# Altium PCB 28375D_Control_Card_2023.6.7.PcbDoc (part 1 of 2) (continued)
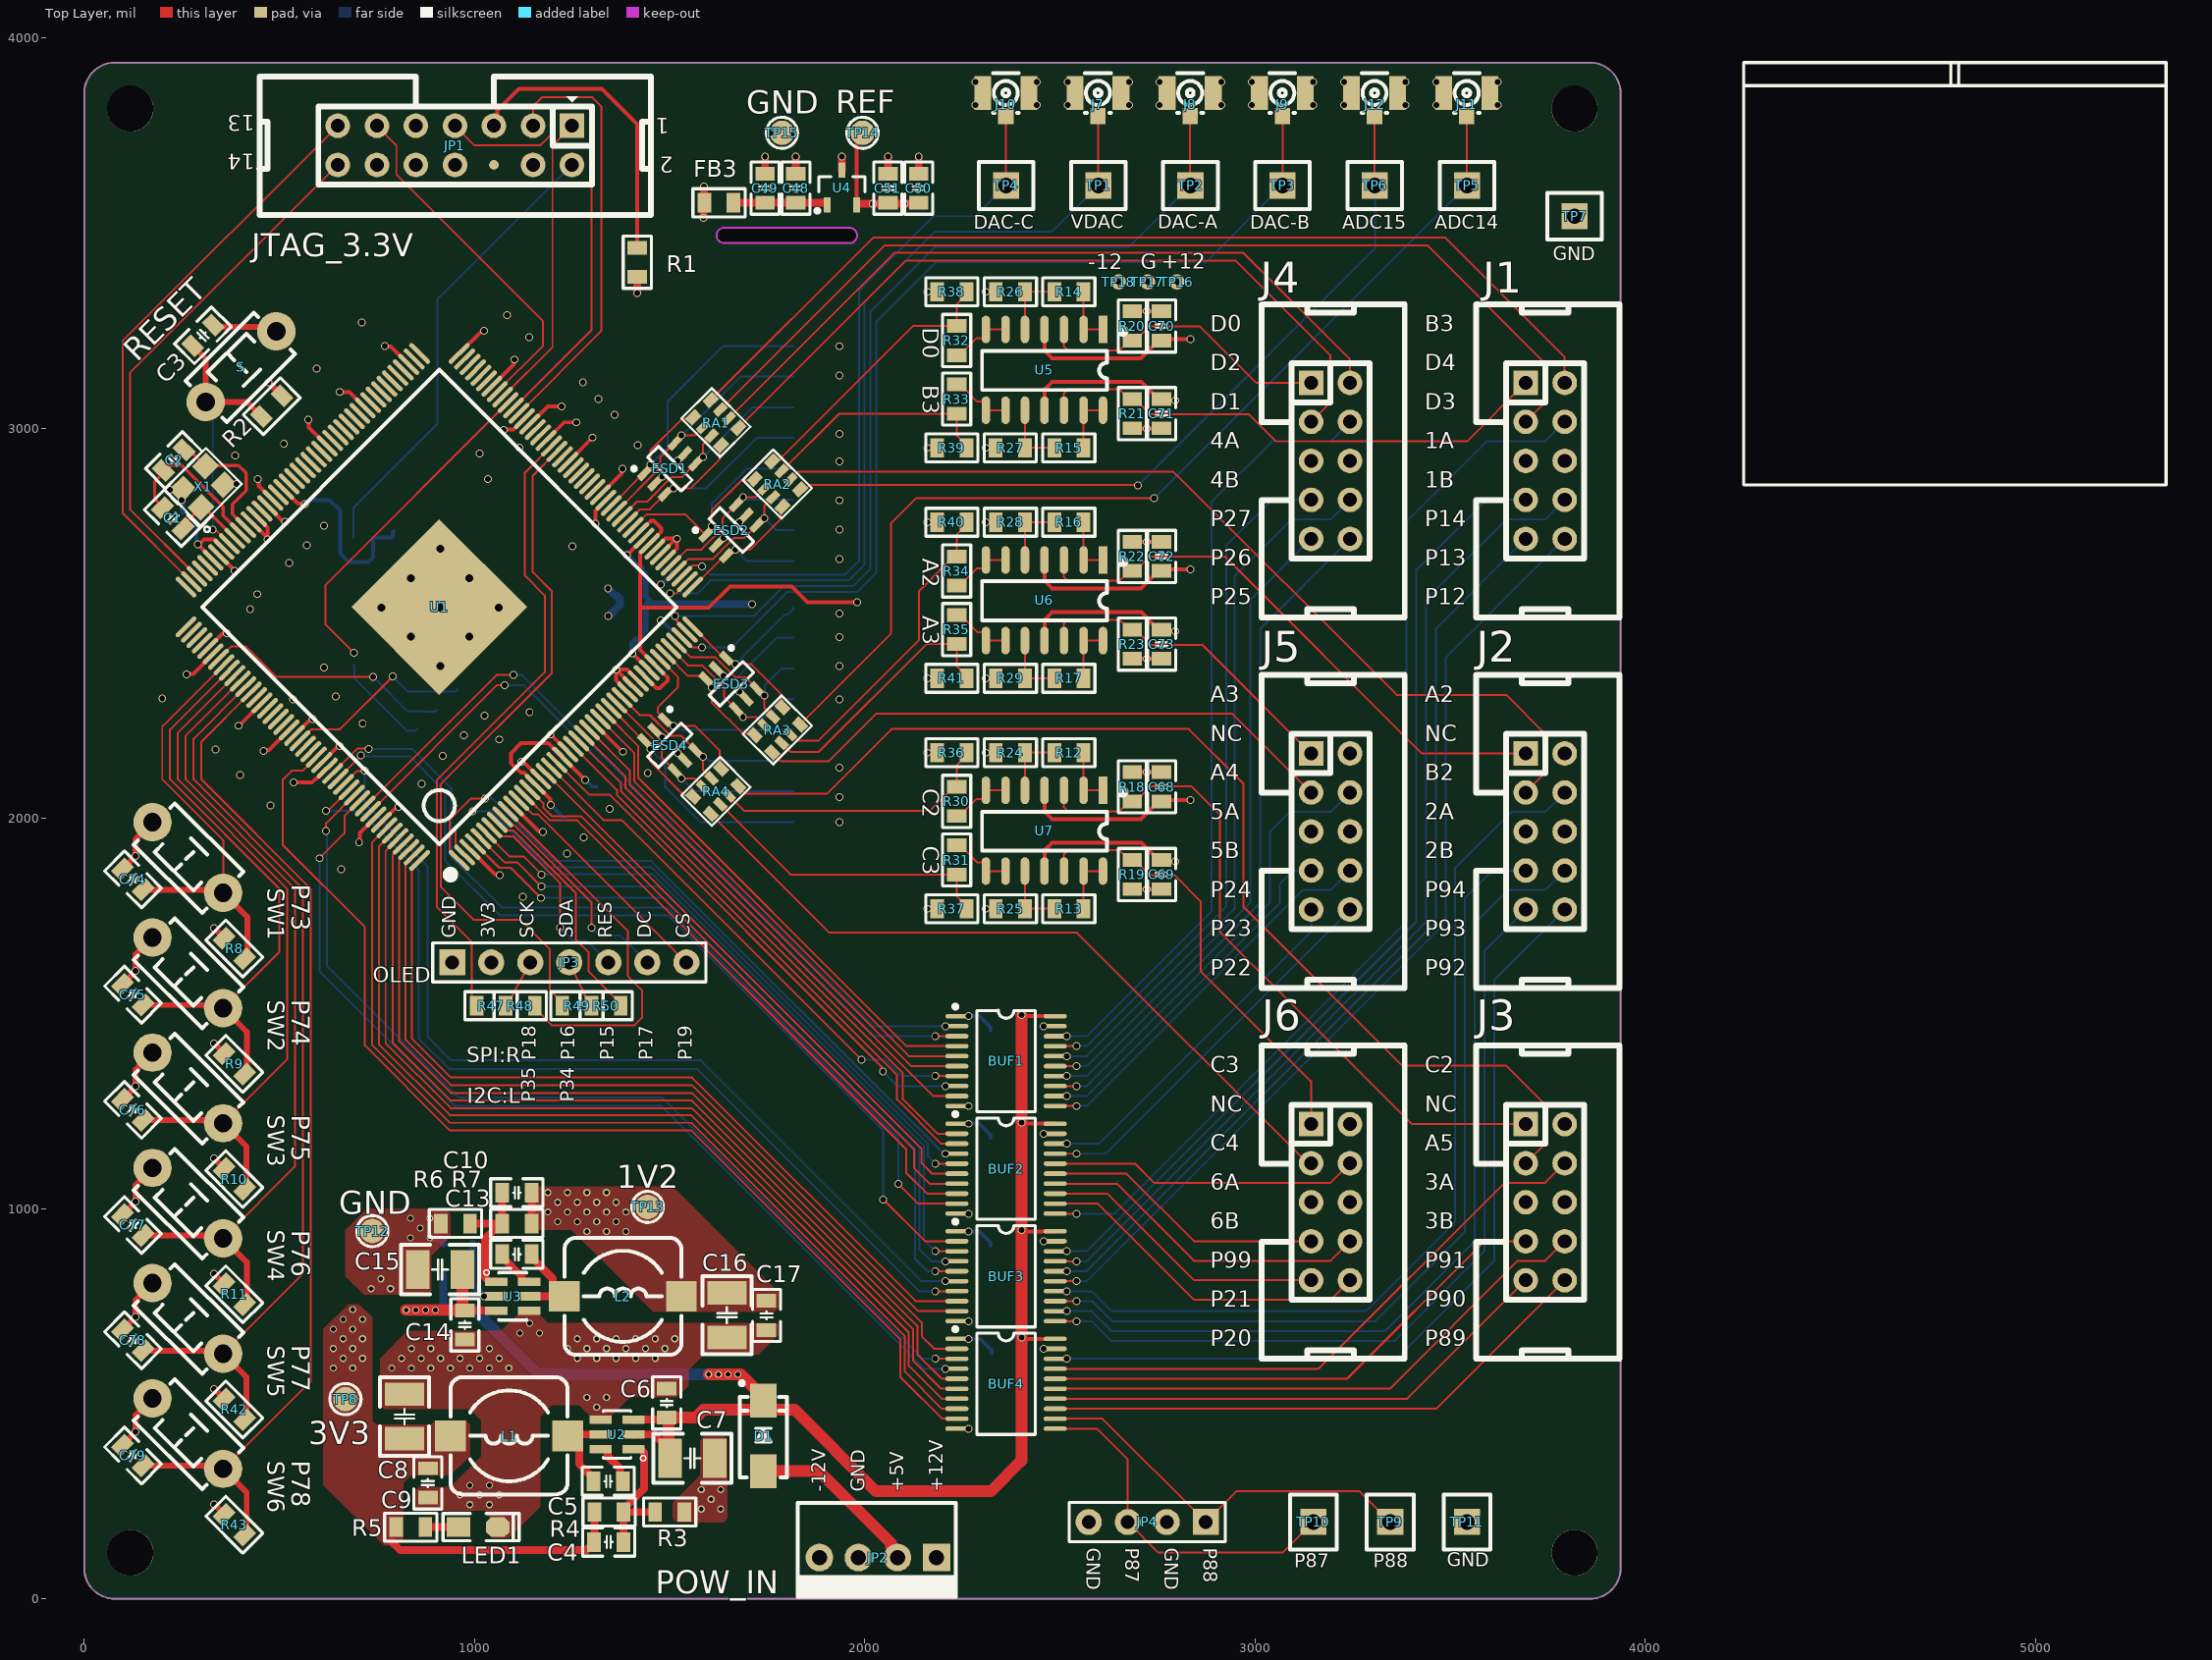
[diagram p0: Top Layer view]
## Footprints (in the part's own frame and the unit in brackets; to place one, negate y for a bottom-side part, rotate by r counter-clockwise, add the part's x,y. Pads: shape width x height; smd on the part's side, far side on the other; paste and mask are expansions set on the pad) (continued)
  rect 8.1x8.1 smd: 177(0,0)
  silkscreen extent -12.06,-13.08 10.92,10.92, body extent -13,-13 13.01,13, height 1.45
"OSC 3225-4P" [mm] "3.2*2.5*0.7mm(长宽高)  淘宝ID:小糖豆的小窝窝"
  rect 1.3x1.2 smd: 1(-1.05,-0.85) 2(1.05,-0.85) 3(1.05,0.85) 4(-1.05,0.85)
  silkscreen extent -2.03,-1.75 1.9,1.65, body extent -1.6,-1.25 1.6,1.25, height 0.7
"R 0805_L" [mil] "1/8W贴片电阻   https://item.taobao.com/item.htm?ft=t&id=613637044352"
  rect 35x50 smd: 1(-37.4,0) 2(37.4,0)
  silkscreen extent -67,-36 67,36, body extent -39,-25 39,25, height 20
RCA-8P4R-0603 [mm] "3.2mm*1.6mm*0.6mm(长*宽*厚)"
  rect 0.65x0.9 smd: 1(-1.28,-0.8) 4(1.28,-0.8) 5(1.28,0.8) 8(-1.28,0.8)
  rect 0.5x0.9 smd: 2(-0.4,-0.8) 3(0.4,-0.8) 6(0.4,0.8) 7(-0.4,0.8)
  silkscreen extent -1.78,-1.4 1.78,1.4, body extent -1.6,-0.8 1.6,0.8, height 0.6
SMA [mm] "4.5x2.6*2.2mm（长宽高，不包括引脚）"
  rect 2.2x1.75 smd: 1(-2.3,0) 2(2.3,0)
  silkscreen extent -2.7,-1.52 3.56,1.52, body extent -2.53,-1.3 2.58,1.3, height 2.15
SOP14_N [mm] "8.7*6.2*1.8mm（长宽高）"
  rect 1.8x0.55 smd: 1(-2.625,3.81)
  oval 1.8x0.55 smd: 2(-2.625,2.54) 3(-2.625,1.27) 4(-2.625,0) 5(-2.625,-1.27) 6(-2.625,-2.54) 7(-2.625,-3.81) 8(2.625,-3.81) 9(2.625,-2.54) 10(2.625,-1.27) 11(2.625,0) 12(2.625,1.27) 13(2.625,2.54) 14(2.625,3.81)
  silkscreen extent -2.67,-4.06 1.31,5.21, body extent -3,-4.35 3,4.35, height 1.9
SOT23-3L [mm] "3x1.3x1mm(长宽高)"
  rect 0.45x1 smd: 1(-0.95,-1.143) 2(0.95,-1.143) 3(0,1.125)
  silkscreen extent -1.72,-1.65 1.5,0.7, body extent -1.5,-1.2 1.5,1.2, height 1.05
SOT23-6 [mm] "SOT-23/SC-74A; 5 Leads; Body 3.1 x 3 mm, inc. leads (LxW max)"
  rect 0.55x1.45 smd: 1(0.95,1.075) 2(0,1.075) 3(-0.95,1.075) 4(-0.95,-1.075) 5(0,-1.075) 6(0.95,-1.075)
  silkscreen extent -1.55,-0.9 1.73,1.88, body extent -1.43,-1.2 1.49,1.14, height 1
SOT23-6L [mm] "3x1.6x1.1mm(长宽高)"
  rect 0.45x1 smd: 1(-0.95,-1.397) 2(0,-1.397) 3(0.95,-1.397) 4(0.95,1.397) 5(0,1.397) 6(-0.95,1.397)
  silkscreen extent -1.77,-1.78 1.55,0.51, body extent -1.5,-1.4 1.5,1.4, height 1.15
"TEST 1" [mm] "测试点1mm"
  round 1 smd paste-1: 1(0,0)
"TEST 1.6" [mm] "测试点1.6mm"
  round 1.6 smd paste-1.6: 1(0,0)
  silkscreen extent -1.02,-1.02 1.01,1.02
"TEST TP1.4_B" [mm] "蓝色，测试环"
  rect 1.7x1.7 hole 1: 1(0,0)
  silkscreen extent -1.78,-1.52 1.78,1.52, body extent -1.67,-1.4 1.67,1.4, height 5.41
"TEST TP1.4_G" [mm] "绿色，测试环"
  rect 1.7x1.7 hole 1: 1(0,0)
  silkscreen extent -1.78,-1.52 1.78,1.52, body extent -1.67,-1.4 1.67,1.4, height 5.41
"TEST TP1.4_W" [mm] "白色，测试环"
  rect 1.7x1.7 hole 1: 1(0,0)
  silkscreen extent -1.78,-1.52 1.78,1.52, body extent -1.67,-1.4 1.67,1.4, height 5.41
"TEST TP1.4_Y" [mm] "黄色，测试环"
  rect 1.7x1.7 hole 1: 1(0,0)
  silkscreen extent -1.78,-1.52 1.78,1.52, body extent -1.67,-1.4 1.67,1.4, height 5.41
TSSOP20_N [mm] "6.5*6.4*1（长宽高）"
  oval 1.5x0.3 smd: 1(-3.2,2.925) 2(-3.2,2.275) 3(-3.2,1.625) 4(-3.2,0.975) 5(-3.2,0.325) 6(-3.2,-0.325) 7(-3.2,-0.975) 8(-3.2,-1.625) 9(-3.2,-2.275) 10(-3.2,-2.925) 11(3.2,-2.925) 12(3.2,-2.275) 13(3.2,-1.625) 14(3.2,-0.975) 15(3.2,-0.325) 16(3.2,0.325) 17(3.2,0.975) 18(3.2,1.625) 19(3.2,2.275) 20(3.2,2.925)
  silkscreen extent -3.43,-3.3 1.91,3.69, body extent -3.2,-3.25 3.2,3.25, height 1.03
"TSW DIP-3*6*4.3" [mm] "3*6*4.3mm"
  round 2.5 hole 1.2: 1(3.25,0) 2(-3.25,0)
  silkscreen extent -3.21,-1.9 3.09,1.9, body extent -3.91,-1.75 3.91,1.75, height 4.31

## Part data
C1 C2 C3 C4 C5 C6 C7 C8 C9 C10 C11 C12 C13 C14 C15 C16 C17 C18 C19 C20 C21 C22 C23 C24 C25 C26 C27 C28 C29 C30 C31 C32 C33 C34 C35 C36 C37 C38 C39 C40 C41 C42 C43 C44 C45 C46 C47 C48 C49 C50 C51 C52 C53 C54 C55 C56 C57 C58 C59 C60 C61 C62 C63 C64 C65 C66 C67 C68 C69 C70 C71 C72 C73 C74 C75 C76 C77 C78 C79 C80 C81 C82 C83 C84 C85 C86 C87 C88 C89: library part C, "贴片电容", BOM名称=贴片电容, 下单链接=https://item.taobao.com/item.htm?ft=t&id=613637044352, 淘宝ID=小糖豆的小窝窝
D1: library part 1N4007, "整流二极管", BOM名称=整流二极管, 下单链接=https://item.taobao.com/item.htm?ft=t&id=613637044352, 淘宝ID=小糖豆的小窝窝
DIP1: "3路编码开关", BOM名称=3路编码开关, 下单链接=https://item.taobao.com/item.htm?ft=t&id=613637044352, 淘宝ID=小糖豆的小窝窝
ESD1 ESD2 ESD3 ESD4: library part "ESD - 4"
FB1 FB3: library part FB, "磁珠", BOM名称=贴片磁珠
J1 J2 J3 J4 J5 J6: "5*2P接插件", BOM名称=5*2P接插件, 下单链接=https://item.taobao.com/item.htm?ft=t&id=613637044352, 淘宝ID=小糖豆的小窝窝
J7 J8 J9 J10 J11 J12: "射频连接器 RF connector"
JP1: library part "Header 7X2", "7*2P接插件", BOM名称=7*2P接插件, 下单链接=https://item.taobao.com/item.htm?ft=t&id=613637044352, 淘宝ID=小糖豆的小窝窝
JP2 JP4: library part "Header 4", "4P接插件", BOM名称=4P接插件, 下单链接=https://item.taobao.com/item.htm?ft=t&id=613637044352, 淘宝ID=小糖豆的小窝窝
JP3: library part "Header 7", "7P接插件", BOM名称=7P接插件, 下单链接=https://item.taobao.com/item.htm?ft=t&id=613637044352, 淘宝ID=小糖豆的小窝窝
L1 L2: library part L-CDRH, "功率屏蔽电感", BOM名称=功率屏蔽电感, 下单链接=https://item.taobao.com/item.htm?ft=t&id=613637044352, 淘宝ID=小糖豆的小窝窝
LED1: library part LED-SMD, "贴片LED", BOM名称=贴片LED, 下单链接=https://item.taobao.com/item.htm?ft=t&id=613637044352, 淘宝ID=小糖豆的小窝窝
R1 R2 R3 R4 R5 R6 R7 R8 R9 R10 R11 R12 R13 R14 R15 R16 R17 R18 R19 R20 R21 R22 R23 R24 R25 R26 R27 R28 R29 R30 R31 R32 R33 R34 R35 R36 R37 R38 R39 R40 R41 R42 R43 R44 R45 R46 R47 R48 R49 R50 R51: library part R, "贴片电阻", BOM名称=贴片电阻, 下单链接=https://item.taobao.com/item.htm?ft=t&id=613637044352, 淘宝ID=小糖豆的小窝窝
RA1 RA2 RA3 RA4: library part R-8P4R, "贴片排阻", BOM名称=贴片排阻, 下单链接=https://item.taobao.com/item.htm?ft=t&id=613637044352, 淘宝ID=小糖豆的小窝窝
S SW1 SW2 SW3 SW4 SW5 SW6: library part "TSW 3x6", "3x6轻触开关", BOM名称=3x6轻触开关, 下单链接=https://item.taobao.com/item.htm?ft=t&id=613637044352, 淘宝ID=小糖豆的小窝窝
TP1 TP2 TP3 TP4 TP5 TP6 TP7 TP9 TP10 TP11: "测试环", BOM名称=测试环, 下单链接=https://item.taobao.com/item.htm?ft=t&id=613637044352, 淘宝ID=小糖豆的小窝窝
TP8 TP12 TP13 TP14 TP15 TP16 TP17 TP18: "测试点", BOM名称=测试点, 下单链接=https://item.taobao.com/item.htm?ft=t&id=613637044352, 淘宝ID=小糖豆的小窝窝
U1: library part TMS320F28377DPTP, "DSP 176", Manufacturer="Texas Instruments", CompType=IC, MountType=SMT, PackageReference=PTP0176F, PartNumber=TMS320F28377DPTP, PIN_COUNT=177, RefDes=RefDes, RoHS=Y, Type=DEV
U2 U3: library part SCT2330
U5 U6 U7: "Low Noise JFET-Input Operational Amplifiers", Alias1=https://item.taobao.com/item.htm?ft=t&id=613637044352, BOM名称="Low Noise JFET-Input Operational Amplifiers", 淘宝ID=小糖豆的小窝窝
X1: library part XTAL-4P, "4脚无源晶振", BOM名称=4脚无源晶振, 下单链接=https://item.taobao.com/item.htm?ft=t&id=613637044352, 淘宝ID=小糖豆的小窝窝

## Free pads (board coordinates)
  round 118.11 hole 118.11: Q(118.11,118.11) Q(118.11,3818.9) Q(3818.9,118.11) Q(3818.9,3818.9)

## Via types
v1: diameter 20, hole 15, Top Layer to Bottom Layer, tented both sides, 277 vias
v2: diameter 18, hole 12, Top Layer to Bottom Layer, tented both sides, 100 vias
v3: diameter 30, hole 20, Top Layer to Bottom Layer, tented both sides, 9 vias
v4: diameter 20, hole 15, Top Layer to Bottom Layer, 1 vias

## Nets (pads, with @x,y where several pads share a name; then routed paths per layer and width w, separated by ;. In a path a pad name is that pad's centre, name@x,y a point inside that pad or via, vN(x,y) a via of type N, cw(c..) or ccw(c..) an arc to the next point about the centre after c; other vN are vias at no path point)
+1V2: C10.2 C16.2 C17.2 C18.2 C19.2 C20.2 C21.2 C22.2 C23.2 C24.2 C25.2 C26.2 C27.2 C80.2 C81.2 L2.2 R7.2 TP13.1 U1.16 U1.21 U1.61 U1.76 U1.117 U1.126 U1.137 U1.153 U1.158 U1.169 | length 728.3
  Top Layer w10: U1.137@316.45,2435.45 354.08,2473.09 363.09,2473.09 v1(365,2475) ; U1.126@344.29,2676.28 344.29,2676 385,2635.29 v1(385,2635) ; U1.117@469.56,2801.56 509.21,2761.91 513.09,2761.91 v1(515,2760) ; U1.153@539.16,2212.74 579.5,2253.09 583.09,2253.09 v1(585,2255) ; U1.158@608.76,2143.15 648.7,2183.09 653.09,2183.09 v1(655,2185) ; U1.169@761.87,1990.03 799.92,2028.09 803.09,2028.09 v1(805,2030) ; v1(1075,2995) 1076.79,2996.79 1100,2996.79 1127.48,3024.27 U1.76@1127.97,3024.27 ; v1(1120,2145) 1121.91,2143.09 1128.03,2143.09 U1.16@1169.73,2101.39 ; v1(1195,2215) 1195.16,2215 1239.17,2170.99 U1.21@1239.33,2170.99 ; v1(1310,2755) 1310,2788.22 1336.76,2814.99 U1.61@1336.76,2815.48
  Top Layer w20: R7.2@1146.05,961.94 1146.05,1025.68 1145.4,1026.34 1138.55,1026.34 1146.05,1033.84 C10.2@1146.05,1040.68
  other v1: 535,2305 1115,2950
  other v2: 1288.19,941.34 1338.19,941.34 1388.19,941.34 1213.19,966.34 1263.19,966.34 1313.19,966.34 1363.19,966.34 1188.19,991.34 1238.19,991.34 1288.19,991.34 1338.19,991.34 1388.19,991.34 1213.19,1016.34 1263.19,1016.34 1313.19,1016.34 1363.19,1016.34 1188.19,1041.34 1238.19,1041.34 1288.19,1041.34 1338.19,1041.34
+3REF: C50.2 C51.2 R36.1 R37.1 R38.1 R39.1 R40.1 R41.1 TP14.1 U1.35 U1.37 U1.53 U1.55 U4.2 | length 3666.2
  Top Layer w10: U1.55@1420.28,2731.96 1420.77,2731.96 1451.73,2762.92 1460.01,2762.92 1479.08,2743.85 1479.08,2735.57 1448.12,2704.61 U1.53@1448.12,2704.12 1448.12,2703.63 1424.25,2679.77 1424.25,2539.97 ; U1.35@1434.2,2365.86 1466.54,2333.52 1474.82,2333.52 1494.38,2353.07 1494.38,2361.36 U1.37@1462.04,2393.7 1424.25,2431.48 1424.25,2539.97 ; U4.2@1979.07,3584.3 1979.07,3727.37 1993.86,3742.16 TP14.1@1993.86,3756.5 ; v1(1980.92,2554.12) 1853.04,2554.12 1813,2594.16 1654.16,2594.16 1599.97,2539.97 1424.25,2539.97 ; v1(2160.49,1768.46) 2185.78,1768.46 R37.1@2185.83,1768.5 ; v1(2160.49,3349.56) 2185.78,3349.56 R38.1@2185.83,3349.61
  Top Layer w20: U4.2@1980.31,3574.93 2020.29,3574.93 2059.66,3574.93 2101.92,3574.93 2135.58,3574.93 C50.2@2138.4,3577.74
  POWER w50: v1(2020.29,3575.14) v1(2101.92,3575.14) 2131.2,3575.14 2160.49,3545.85 v1(2160.49,2949.56) v1(2160.49,2759.01) 2160.49,2733.69 v1(1980.92,2554.12) 2160.49,2374.55 v1(2160.49,2359.01) v1(2160.49,2168.46) v1(2160.49,1768.46)
+3V3: C4.2 C8.2 C9.2 C28.2 C29.2 C30.2 C31.2 C32.2 C33.2 C34.2 C35.2 C36.2 C37.2 C38.2 C39.2 C40.2 C41.2 C42.2 C43.2 C44.2 C45.2 C46.2 C47.2 C86.2 C87.2 C88.2 DIP1.5 DIP1.6 FB1.1 FB3.1 JP3.2 L1.2 R1.2 R2.2 R4.2 R5.2 R8.2 R9.2 R10.2 R11.2 R42.2 R43.2 TP8.1 U1.3 U1.11 U1.15 U1.20 U1.26 U1.62 U1.68 U1.72 U1.75 U1.82 U1.88 U1.91 U1.99 U1.106 U1.114 U1.116 U1.119 U1.120 U1.125 U1.127 U1.138 U1.147 U1.152 U1.159 U1.168 | length 4201.4
  Top Layer w10: v1(262.64,2368.99) 264.55,2370.9 279.73,2370.9 U1.138@330.37,2421.54 ; U1.127@330.37,2662.36 330.37,2662.5 291,2701.87 v1(291,2702) 293.71,2702 307.29,2715.59 332.33,2715.59 357.72,2690.2 U1.125@358.21,2690.2 ; v1(396.09,2237.59) 396.53,2237.59 455.2,2296.26 U1.147@455.64,2296.26 ; U1.120@427.95,2759.8 468.09,2719.67 468.09,2716.91 v1(470,2715) 470,2744.95 441.72,2773.23 U1.119@441.72,2773.72 ; v1(445,2870) 446.91,2868.09 446.91,2852.05 U1.116@483.48,2815.48 ; v1(460,2173) 461.91,2174.91 473.49,2174.91 U1.152@525.24,2226.66 ; U1.114@511.32,2843.32 547.72,2806.91 563.09,2806.91 v1(565,2805) ; v1(537,2092) 583.59,2092 594.27,2102.68 595.64,2102.68 622.19,2129.23 U1.159@622.68,2129.23 ; v1(573.8,3022.41) 575.71,3020.49 575.71,3001.64 U1.106@622.68,2954.67 ; v1(655,3093) 655.78,3092.22 680,3092.22 U1.99@720.11,3052.11 ; v1(704.4,1938.3) 706.32,1940.21 706.32,1962.32 U1.168@747.95,2003.95 ; v1(770,3211) 771.91,3209.09 785.84,3209.09 U1.91@831.47,3163.46 ; U1.88@960.94,3191.3 1017.73,3248.09 1022.09,3248.09 v1(1024,3250) ; U1.3@988.78,1920.44 1052.3,1856.91 1063.09,1856.91 v1(1065,1855) ; U1.82@1044.46,3107.79 1101.09,3164.42 1101.09,3174.09 v1(1103,3176) ; U1.11@1100.13,2031.79 1165.01,1966.91 1174.09,1966.91 v1(1176,1965) ; U1.75@1141.89,3010.35 1187.54,3056 v1(1223,3056) ; U1.72@1183.65,2968.59 1230.06,3015 v1(1261,3015) ; v1(1196.14,2034.14) 1194.22,2036.05 1194.22,2049.06 1126.28,2117 1118.3,2117 1094,2141.3 1094,2167 1119.43,2192.43 1189.55,2192.43 1224.92,2157.07 U1.20@1225.41,2157.07 1225.67,2157.07 1283.74,2099 v1(1284,2099) ; U1.68@1239.33,2912.91 1239.62,2912.91 1302.71,2976 v1(1303,2976) ; U1.26@1308.93,2240.58 1309.42,2240.58 1379,2171 v1(1380,2171) ; U1.62@1322.85,2829.4 1377.09,2883.64 1377.09,2894.09 v1(1379,2896)
  Top Layer w15: v1(333.2,242.54) 358.27,217.47 R43.2@358.27,216.42 ; v1(333.2,537.82) 358.27,512.75 R42.2@358.27,511.69 ; v1(333.2,833.09) 358.27,808.03 R11.2@358.27,806.97 ; v1(333.2,1128.37) 358.27,1103.3 R10.2@358.27,1102.25 ; v1(333.2,1423.64) 358.27,1398.58 R9.2@358.27,1397.52 ; v1(333.2,1718.92) 358.27,1693.85 R8.2@358.27,1692.8 ; v1(472.59,3117.29) R2.2@507.15,3082.74
  Top Layer w20: 788.19,146.34 808.96,125.57 1286.9,125.57 1291.74,130.41 1299.24,130.41 1306.74,137.91 C4.2@1306.74,145.41 1307.04,145.71 1307.04,222.16 R4.2@1307.33,222.46 ; v1(1417.32,3346.46) R1.2@1417.32,3387.8 ; v1(1587.22,3538.37) 1587.22,3575.77 FB3.1@1589.18,3577.74 1588,3578.92 v1(1588,3619)
  POWER w10: 420,2765 v1(470,2715) ; 520,2850 v1(565,2805)
  Bottom Layer w10: C36.2@288.01,2750.97 288.01,2707.7 291,2704.71 v1(291,2702) ; v1(565,2805) 568.04,2808.04 570.17,2805.91 573.23,2805.91 583.23,2815.91 628.81,2815.91 655.41,2789.31 655.41,2679.32 677.25,2657.48 728.35,2657.48 740.51,2669.64 DIP1.5@740.51,2720.32 DIP1.6@790.51,2720.32 790.51,2733.43 DIP1.6@793.3,2736.22 ; v1(1196.14,2034.14) 1227.06,2003.21 1227.06,2002.94 C35.2@1232.89,2002.94 ; v1(1284,2099) 1301.32,2081.68 C34.2@1312.45,2081.68
  Bottom Layer w20: v1(1342.11,2589.18) 1361.29,2570 1365.1,2570 1372.6,2562.5 1372.6,2547.5 1344.1,2519 v1(1343.07,2519)
  other v2: 638.19,591.34 688.19,591.34 663.19,616.34 713.19,616.34 638.19,641.34 688.19,641.34 663.19,666.34 713.19,666.34 638.19,691.34 688.19,691.34 663.19,716.34 713.19,716.34 688.19,741.34
+3V3A: C11.2 C12.2 ESD1.5 ESD2.5 ESD3.5 ESD4.5 FB1.2 U1.36 U1.54 | length 1591.5
  Top Layer w10: v1(1390.37,2674.21) U1.54@1434.2,2718.04 ; v1(1404.29,2423.61) U1.36@1448.12,2379.78
  POWER w20: v1(1520.61,2167.55) v1(1678.09,2325.03) 1711.19,2358.13 1711.19,2725.63 v1(1678.09,2758.73) v1(1520.61,2916.21)
  Bottom Layer w15: v1(1390.37,2674.21) 1414.22,2650.36 1419.74,2650.36 1429.74,2640.36 C11.2@1429.74,2632.86 1438.73,2623.87 1438.73,2567.87 FB1.2@1452.48,2554.12 ; v1(1404.29,2423.61) 1404.29,2449.09 1413.07,2457.88 1419.74,2457.88 C12.2@1429.74,2467.88 ; C12.2@1429.74,2475.38 1438.47,2484.11 1438.47,2546.08 FB1.2@1447.4,2555
  Bottom Layer w20: FB1.2@1447.4,2555 1453.36,2549.04 v1(1711.19,2549.04)
+5: BUF1.20 BUF2.20 BUF3.20 BUF4.20 C6.2 C7.2 C14.2 C15.2 C82.2 C83.2 C84.2 C85.2 D1.2 R51.1 U2.2 U2.3 U3.3 | length 4554.9
  Top Layer w10: v1(2401.57,669.29) 2404.28,669.29 2407.23,666.34 BUF4.20@2488.19,666.34 ; v1(2401.57,944.88) 2404.28,944.88 2407.23,941.93 BUF3.20@2488.19,941.93 ; v1(2401.57,1220.47) 2404.28,1220.47 2407.23,1217.52 BUF2.20@2488.19,1217.52 ; v1(2401.57,1496.06) 2404.28,1496.06 2407.23,1493.11 BUF1.20@2488.19,1493.11
  Top Layer w20: C15.2@968.89,823.84 C15.2@968.89,843.84 ; C14.2@975.53,739.35 976.29,738.59 1055.06,738.59 U3.3@1055.82,737.82 ; U2.3@1407.72,458.68 1408.55,459.5 1487.6,459.5 C6.2@1492.66,464.56 ; U2.2@1408.55,420.45 U2.2@1407.72,421.28 1460.21,421.28 1497.01,384.47 1501.36,380.12 C7.2@1501.36,360.12
  Top Layer w30: v2(825,740) v2(850,740) v2(875,740) v2(900,740) C14.2@970.74,740 ; C15.2@968.89,823.84 968.89,741.85 C14.2@970.74,740 ; C14.2@971.39,739.35 C14.2@970.74,740 ; C14.2@974.88,740 C14.2@970.74,740 ; C6.2@1492.66,464.56 C6.2@1494.51,464.56 ; C7.2@1501.36,360.12 1497.01,364.47 1497.01,384.47 1497.01,462.06 C6.2@1494.51,464.56 ; v2(1600,575) v2(1625,575) v2(1650,575) v2(1675,575) 1682.4,575 1740.29,517.1 D1.2@1740.29,504.45 ; v1(2401.57,1496.06) v1(2401.57,1220.47) v1(2401.57,944.88) v1(2401.57,669.29) 2401.57,354.33 2322.83,275.59 2029.41,275.59 1819.99,485.01 1759.74,485.01 D1.2@1740.29,504.46 ; C6.2@1494.51,464.56 1566.83,464.56 1587.27,485 1720.84,485 D1.2@1740.29,504.45
  Bottom Layer w10: C84.2@2399.6,629.92 2401.57,631.9 v1(2401.57,669.29) ; C83.2@2399.6,905.51 2401.57,907.49 v1(2401.57,944.88) ; C82.2@2399.6,1181.11 2401.57,1183.08 v1(2401.57,1220.47) ; C85.2@2399.6,1456.7 2401.57,1458.67 v1(2401.57,1496.06)
  Bottom Layer w20: 920,740 920.2,740.2 R51.1@920.2,830
  Bottom Layer w30: v2(825,740) v2(850,740) v2(875,740) v2(900,740) 920,740 1000,740 1165,575 v2(1600,575) v2(1625,575) v2(1650,575) v2(1675,575)
+5IN: D1.1 JP2.2 | length 447.2
  Top Layer w30: D1.1@1740.29,327.14 1882.86,327.14 2067.18,142.82 2067.18,133.56 2083.9,116.85 JP2.2@2083.9,105.79
+12: C68.1 C70.1 C72.1 JP2.1 TP16.1 U5.4 U6.4 U7.4 | length 5018.3
  Top Layer w10: U7.4@2460.63,2071.85 2460.63,2018.32 2480.49,1998.46 2708.08,1998.46 2753.13,2043.5 C68.1@2760.63,2043.5 2764.37,2047.24 v1(2834.65,2047.24) ; U6.4@2460.63,2662.4 2460.63,2608.87 2480.49,2589.01 2708.08,2589.01 2753.13,2634.06 C72.1@2760.63,2634.06 2764.37,2637.8 v1(2834.65,2637.8) ; U5.4@2460.63,3252.95 2460.63,3199.42 2480.49,3179.56 2708.08,3179.56 2753.13,3224.61 C70.1@2760.63,3224.61 2764.37,3228.35 v1(2834.65,3228.35)
  POWER w20: JP2.1@2183.9,105.79 2349.88,105.79 2834.65,590.55 v1(2834.65,2637.8) 2834.65,3340.35 v1(2800,3375)
-12: C69.2 C71.2 C73.2 JP2.4 TP18.1 U5.11 U6.11 U7.11 | length 5182
  Top Layer w10: U7.11@2460.63,1865.16 2460.63,1918.32 2480.49,1938.18 2708.45,1938.18 2753.13,1893.5 C69.2@2760.63,1893.5 2764.37,1889.76 v1(2795.28,1889.76) ; U6.11@2460.63,2455.71 2460.63,2508.87 2480.49,2528.74 2708.45,2528.74 2753.13,2484.06 C73.2@2760.63,2484.06 2764.37,2480.32 v1(2795.28,2480.32) ; U5.11@2460.63,3046.26 2460.63,3099.42 2480.49,3119.29 2708.45,3119.29 2753.13,3074.61 C71.2@2760.63,3074.61 2764.37,3070.87 v1(2795.28,3070.87)
  POWER w20: JP2.4@1883.9,105.79 1974.96,196.85 2362.2,196.85 2795.28,629.92 v1(2795.28,1889.76) v1(2795.28,2480.32) v1(2795.28,3070.87) 2795.28,3149.61 2650,3294.88 v1(2650,3375)
AA2: J2.1 R22.2 U6.3 | length 1465
  Top Layer w5: U6.3@2510.63,2662.4 2510.63,2618.87 2520.49,2609.01 2653.08,2609.01 2678.13,2634.06 R22.2@2685.63,2634.06 2693.13,2634.06 2729.66,2670.59 2923.91,2670.59 3428.11,2166.39 J2.1@3693.68,2166.39
AA3: J5.1 R23.2 U6.12 | length 822.6
  Top Layer w5: U6.12@2510.63,2455.71 2510.49,2455.85 2510.49,2499.01 2520.49,2509.01 2653.18,2509.01 2678.13,2484.06 R23.2@2685.63,2484.06 2693.13,2484.06 2732.67,2444.52 2865.55,2444.52 J5.1@3143.68,2166.39
AB3: J1.1 R21.2 U5.12 | length 1348
  Top Layer w5: U5.12@2510.63,3046.26 2510.49,3046.4 2510.49,3089.56 2520.49,3099.56 2653.18,3099.56 2678.13,3074.61 R21.2@2685.63,3074.61 2693.13,3074.61 2731.42,3036.31 2983.69,3036.31 3053.61,2966.39 3543.68,2966.39 J1.1@3693.68,3116.39
AC2: J3.1 R18.2 U7.3 | length 1791.6
  Top Layer w5: U7.3@2510.63,2071.85 2510.63,2028.32 2520.49,2018.46 2653.08,2018.46 2678.13,2043.5 R18.2@2685.63,2043.5 2700.63,2058.5 2709.98,2058.5 2733.42,2081.94 2837.56,2081.94 2910.49,2009.01 2910.49,1708.44 3402.54,1216.39 J3.1@3693.68,1216.39
AC3: J6.1 R19.2 U7.12 | length 1141.2
  Top Layer w5: U7.12@2510.63,1865.16 2510.49,1865.3 2510.49,1908.46 2520.49,1918.46 2653.18,1918.46 2678.13,1893.5 R19.2@2685.63,1893.5 2693.13,1893.5 2708.13,1878.5 2708.13,1877.01 2730.22,1854.92 2793.31,1854.92 2860.49,1787.74 2860.49,1609.01 3143.68,1325.82 J6.1@3143.68,1216.39
AD0: J4.1 R20.2 U5.3 | length 766.4
  Top Layer w5: U5.3@2510.63,3252.95 2510.63,3209.42 2520.49,3199.56 2653.08,3199.56 2678.13,3224.61 R20.2@2685.63,3224.61 2693.13,3224.61 2729.98,3261.46 2858.04,3261.46 3003.11,3116.39 J4.1@3143.68,3116.39
ADC14: J11.1 RA3.8 TP5.1 | length 2626.4
  Top Layer w5: RA3.8@1834.1,2240.28 2066.93,2473.11 2066.93,2755.91 2132.21,2821.19 2740.2,2821.19 v1(2741.12,2820.26) ; J11.1@3542.6,3800.19 3542.6,3622.76 TP5.1@3543.31,3622.05
  Bottom Layer w5: v1(2741.12,2820.26) 2741.52,2820.26 TP5.1@3543.31,3622.05
ADC15: J12.1 RA2.5 TP6.1 | length 2069.7
  Top Layer w5: RA2.5@1834.1,2843.48 1848.66,2843.48 1859.38,2854.2 2699.7,2854.2 v1(2700.57,2853.32) ; J12.1@3306.38,3800.19 3306.38,3622.76 TP6.1@3307.09,3622.05
  Bottom Layer w5: v1(2700.57,2853.32) 3307.09,3459.84 TP6.1@3307.09,3622.05
ADCA2: R34.1 R40.2 RA3.7 | length 781.5
  Top Layer w5: RA3.7@1809.6,2215.79 1813.71,2215.79 1830.49,2199.01 1880.49,2199.01 2138.4,2456.92 2138.4,2581.6 2213.13,2656.33 2213.13,2656.46 2220.44,2663.77 R34.1@2220.57,2663.77 ; R34.1@2235.63,2671.46 2235.63,2726.55 2260.63,2751.56 R40.2@2260.63,2759.06
ADCA3: R35.1 R41.2 RA3.6 | length 670.3
  Top Layer w5: RA3.6@1787.33,2193.52 1810.49,2170.36 1881.84,2170.36 2158.13,2446.65 R35.1@2235.63,2446.65 2235.63,2391.55 2260.63,2366.56 R41.2@2260.63,2359.06
ADCA4: J5.3 RA3.5 | length 1524.8
  Top Layer w5: RA3.5@1762.84,2169.02 1785.27,2146.59 1908.07,2146.59 2030.49,2269.01 2941.06,2269.01 J5.3@3143.68,2066.39
ADCA5: J3.3 RA4.8 | length 2898
  Top Layer w5: RA4.8@1676.62,2082.8 1696.09,2063.34 1903.34,2063.34 2069.01,2229.01 2830.49,2229.01 2970.49,2089.01 2970.49,1773.54 3377.64,1366.39 3643.68,1366.39 3743.68,1266.39 3743.68,1166.39 J3.3@3693.68,1116.39
ADCB2: J2.3 RA2.6 | length 2392.1
  Top Layer w5: RA2.6@1809.6,2867.98 1830.64,2889.01 2790.49,2889.01 3363.11,2316.39 3643.68,2316.39 3743.68,2216.39 3743.68,2116.39 J2.3@3693.68,2066.39
ADCB3: R33.1 R39.2 RA2.7 | length 590
  Top Layer w5: RA2.7@1787.33,2890.25 1934.15,3037.07 R33.1@2218.56,3037.07 ; R33.1@2235.63,3037.2 2235.63,2982.1 2260.63,2957.11 R39.2@2260.63,2949.61
ADCC2: R30.1 R36.2 RA4.7 | length 723.4
  Top Layer w5: RA4.7@1652.12,2058.31 1691.42,2019.01 2166.23,2019.01 2228.13,2080.91 R30.1@2235.63,2080.91 2235.63,2136 2260.63,2161 R36.2@2260.63,2168.5
ADCC3: R31.1 R37.2 RA4.6 | length 778.3
  Top Layer w5: RA4.6@1629.85,2036.04 1809.79,1856.1 R31.1@2235.63,1856.1 2235.63,1801 2260.63,1776 R37.2@2260.63,1768.5
ADCC4: J6.3 RA4.5 | length 1909.1
  Top Layer w5: RA4.5@1605.36,2011.54 1909.78,1707.11 2543.68,1707.11 3134.4,1116.39 J6.3@3143.68,1116.39
ADCD0: R32.1 R38.2 RA2.8 | length 714.6
  Top Layer w5: RA2.8@1762.84,2914.75 1776.23,2914.75 2123.49,3262.01 R32.1@2235.63,3262.01 2235.63,3317.1 2260.63,3342.11 R38.2@2260.63,3349.61
ADCD1: J4.3 RA1.5 | length 1985.7
  Top Layer w5: RA1.5@1676.62,3000.96 2104.92,3429.26 2950.74,3429.26 3193.68,3186.32 3193.68,3066.39 J4.3@3143.68,3016.39
ADCD2: J4.2 RA1.6 | length 1939.6
  Top Layer w5: RA1.6@1652.12,3025.46 2075.67,3449.01 2970.49,3449.01 3243.68,3175.82 J4.2@3243.68,3116.39
ADCD3: J1.3 RA1.7 | length 2584.4
  Top Layer w5: RA1.7@1629.85,3047.73 2051.13,3469.01 3441.06,3469.01 3743.68,3166.39 3743.68,3066.39 J1.3@3693.68,3016.39
ADCD4: J1.2 RA1.8 | length 2554
  Top Layer w5: RA1.8@1605.35,3072.23 2022.14,3489.01 3487.19,3489.01 3793.68,3182.52 J1.2@3793.68,3116.39
DAC-A: J8.1 TP2.1 U1.43 | length 2396.4
  Top Layer w5: v1(1514.34,2518.23) 1517.21,2515.36 1517.21,2507.4 1545.56,2479.06 U1.43@1545.56,2477.21 ; J8.1@2833.94,3800.19 2833.94,3622.76 TP2.1@2834.65,3622.05
  Bottom Layer w5: v1(1514.34,2518.23) 1715.4,2518.23 1792.17,2595 1970,2595 2015,2640 2015,3299.77 2179.8,3464.57 2677.17,3464.57 TP2.1@2834.65,3622.05
DAC-B: J9.1 TP3.1 U1.42 | length 2594.8
  Top Layer w5: U1.42@1531.64,2463.29 1533.48,2463.29 1558.03,2438.75 v1(1582.9,2438.75) ; J9.1@3070.16,3800.19 3070.87,3799.48 TP3.1@3070.87,3622.05
  Bottom Layer w5: v1(1582.9,2438.75) 1659.89,2438.75 1801.14,2580 1980,2580 2030,2630 2030,3273.34 2181.85,3425.2 2874.02,3425.2 TP3.1@3070.87,3622.05
DAC-C: J10.1 TP4.1 U1.47 | length 1849.7
  Top Layer w5: U1.47@1531.64,2620.61 1559.67,2648.64 1580.32,2648.64 v1(1582.72,2646.24) ; J10.1@2361.5,3800.19 2361.5,3622.76 TP4.1@2362.2,3622.05
  Bottom Layer w5: v1(1582.72,2646.24) 1583.76,2646.24 1583.76,2645.2 1603.96,2625 1950,2625 1985,2660 1985,3352.56 2175.75,3543.31 2283.46,3543.31 TP4.1@2362.2,3622.05
DO1: BUF4.12 JP4.1 TP9.1 | length 1033.2
  Top Layer w5: BUF4.12@2488.19,461.61 2609.25,461.61 JP4.1@2874.02,196.85 2952.76,275.59 3267.72,275.59 TP9.1@3346.46,196.85
DO2: BUF4.11 JP4.3 TP10.1 | length 919.8
  Top Layer w5: BUF4.11@2488.19,436.02 2595.47,436.02 2674.02,357.48 JP4.3@2674.02,196.85 2752.76,118.11 3070.87,118.11 TP10.1@3149.61,196.85
EP1A: BUF2.11 J1.4 | length 2746.6
  Top Layer w5: BUF2.11@2488.19,987.2 v1(2543.31,987.2)
  Bottom Layer w5: v1(2543.31,987.2) 2639.76,987.2 3388.19,1735.63 3388.19,2760.9 3593.68,2966.39 3743.68,2966.39 J1.4@3793.68,3016.39
EP1B: BUF3.18 J1.7 | length 2501.3
  Bottom Layer w5: v1(2517.72,890.75) 2568.9,890.75 3413.19,1735.04 3413.19,2635.9 3593.68,2816.39 J1.7@3693.68,2816.39
EP2A: BUF3.14 J2.4 | length 2379.1
  Bottom Layer w5: v1(2517.72,788.39) 2581.69,788.39 2632.87,737.2 3284.06,737.2 3513.19,966.34 3513.19,1873.43 3656.15,2016.39 3743.68,2016.39 J2.4@3793.68,2066.39
EP2B: BUF3.13 J2.7 | length 2205.7
  Top Layer w5: BUF3.13@2488.19,762.8 v1(2543.31,762.8)
  Bottom Layer w5: v1(2543.31,762.8) 2583.09,762.8 2634.27,711.61 3308.46,711.61 3538.19,941.34 3538.19,1796.06 3608.52,1866.39 J2.7@3693.68,1866.39
EP3A: BUF4.17 J3.4 | length 1523.7
  Top Layer w5: BUF4.17@2488.19,589.57 2552.17,589.57 3162.98,589.57 3639.8,1066.39 3743.68,1066.39 J3.4@3793.68,1116.39
EP3B: BUF4.16 J3.7 | length 1351.5
  Top Layer w5: BUF4.16@2488.19,563.98 2577.76,563.98 3235.83,563.98 3588.24,916.39 J3.7@3693.68,916.39
EP4A: BUF1.18 J4.4 | length 1993
  Bottom Layer w5: v1(2517.72,1441.93) 2568.9,1441.93 2888.19,1761.22 2888.19,2810.9 3043.68,2966.39 3193.68,2966.39 J4.4@3243.68,3016.39
EP4B: BUF1.17 J4.7 | length 1777.4
  Top Layer w5: BUF1.17@2488.19,1416.34 v1(2543.31,1416.34)
  Bottom Layer w5: v1(2543.31,1416.34) 2568.9,1416.34 2926.17,1773.61 2926.17,2698.88 3043.68,2816.39 J4.7@3143.68,2816.39
EP5A: BUF1.13 J5.4 | length 1174.4
  Top Layer w5: BUF1.13@2488.19,1313.98 v1(2543.31,1313.98)
  Bottom Layer w5: v1(2543.31,1313.98) 2568.9,1313.98 3038.19,1783.27 3038.19,1966.34 3088.24,2016.39 3193.68,2016.39 J5.4@3243.68,2066.39
EP5B: BUF1.12 J5.7 | length 893.9
  Bottom Layer w5: v1(2517.72,1288.39) 2568.9,1288.39 3063.19,1782.68 3063.19,1831.34 3098.24,1866.39 J5.7@3143.68,1866.39
EP6A: BUF2.16 J6.4 | length 796.4
  Top Layer w5: BUF2.16@2488.19,1115.16 2692.45,1115.16 2741.21,1066.39 3193.68,1066.39 J6.4@3243.68,1116.39
EP6B: BUF2.15 J6.7 | length 727.2
  Top Layer w5: BUF2.15@2488.19,1089.57 2670.5,1089.57 2843.68,916.39 J6.7@3143.68,916.39